# Altium PCB LimeSDR_1v2s.PcbDoc (part 6 of 9) (continued)
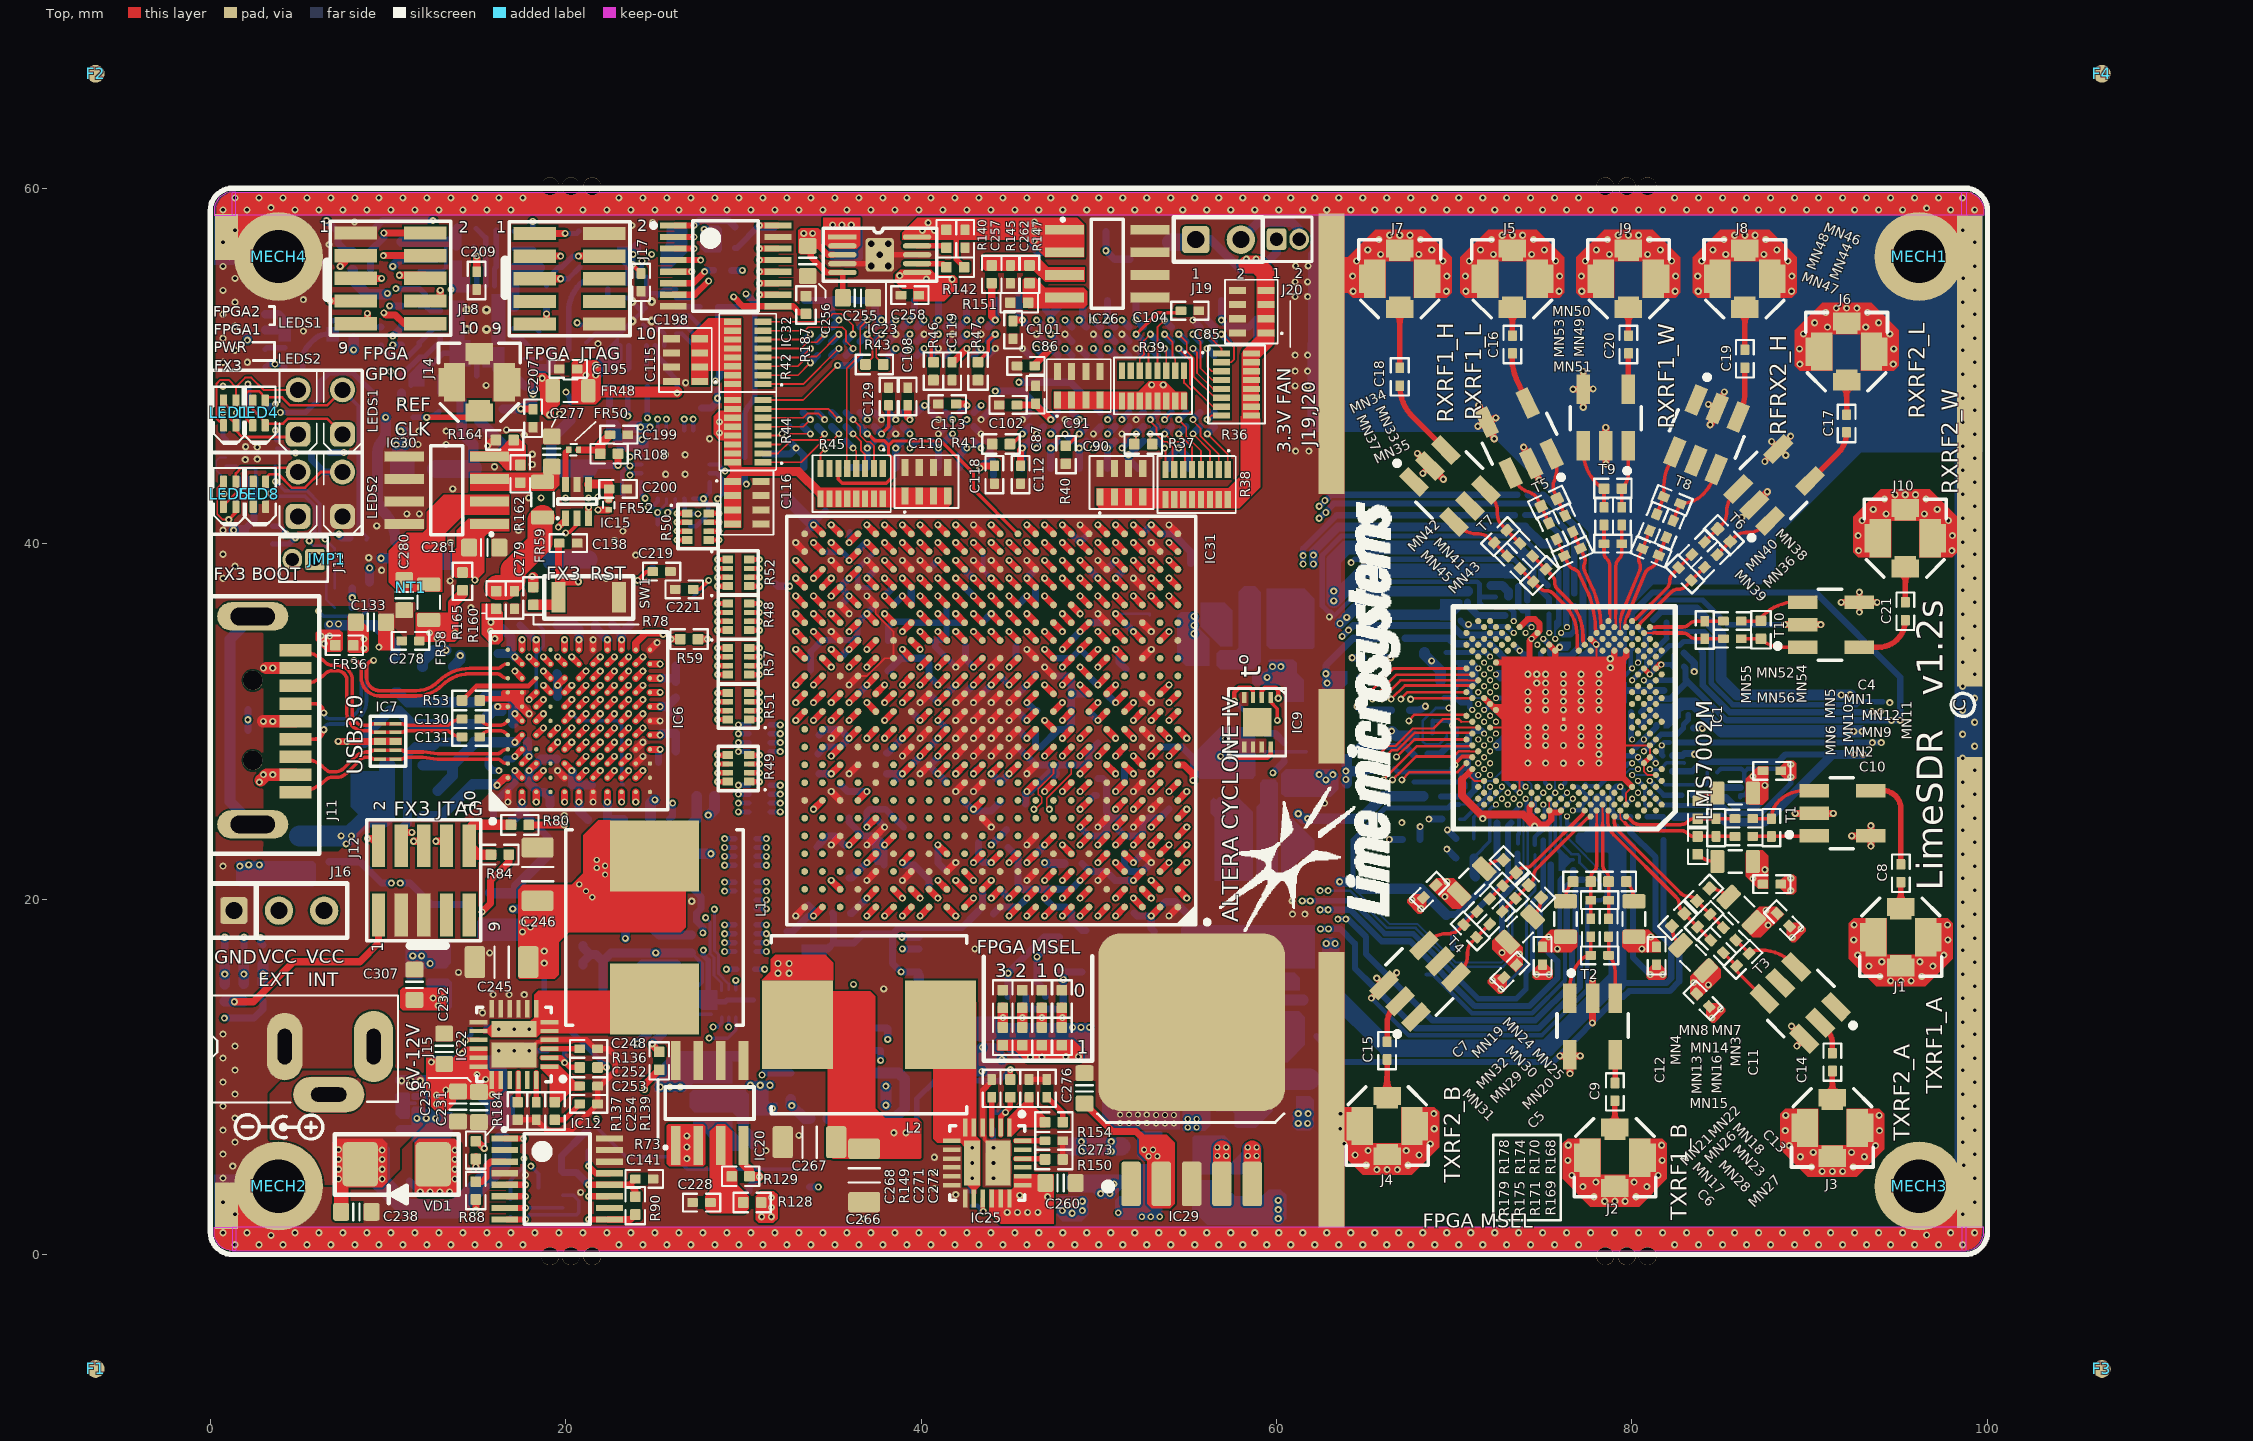
[diagram p0: Top view]
## Nets (pads, with @x,y where several pads share a name; then routed paths per layer and width w, separated by ;. In a path a pad name is that pad's centre, name@x,y a point inside that pad or via, vN(x,y) a via of type N, cw(c..) or ccw(c..) an arc to the next point about the centre after c; other vN are vias at no path point) (continued)
NetC20_1: C20.1 J9.1 | length 1.7
  Top w0.309: C20.1@79.8,51.7 J9.1@79.8,53.4
NetC20_2: C20.2 T9.6 | length 2.4
  Top w0.309: T9.6@79.796,49.059 T9.6@79.796,48.682 79.796,50.696 C20.2@79.8,50.7
NetC21_1: C21.1 J10.1 | length 1.9
  Top w0.309: J10.1@95.375,38.6 95.38,38.6 C21.1@95.38,36.693
NetC21_2: C21.2 T10.6 | length 3.5
  Top w0.309: T10.6@92.784,34.168 93.855,34.168 ccw(c93.855,35.693) C21.2@95.38,35.693
NetC22_1: C22.1 C23.1 IC1.AH30 R23.2 | length 2.6
  Bottom w0.3: R23.2@69.551,33.869 71.785,33.869 v4(72.014,33.639)
NetC24_1: C24.1 C25.1 IC1.T32 R19.2 | length 4.7
  Top w0.11: v1(69.901,29.769) 70.023,29.646 IC1.T32@71.345,29.646
  Bottom w0.11: R19.2@68.751,29.319 C24.1@68.751,29.924
  Bottom w0.25: R19.2@68.751,29.319 68.781,29.349 C24.1@68.781,29.954 ; C24.1@68.781,30.044 C24.1@68.781,29.954 ; C25.1@70.131,29.219 70.131,29.539 69.651,30.019 68.846,30.019 C24.1@68.781,29.954
NetC26_1: C26.1 C27.1 IC1.AE29 R20.1 | length 8.7
  Bottom w0.3: v4(72.347,32.64) 72.589,32.399 C27.1@73.626,32.399
  Bottom w0.4: R20.1@67.225,34.675 69.695,34.675 70.006,34.364 72.006,34.364 73.201,33.169 73.201,32.469
NetC28_1: C28.1 C29.1 IC1.R31 R16.1 | length 4.1
  Bottom w0.35: 71.548,29.444 v4(71.681,29.31)
  Bottom w0.37: R16.1@68.501,28.169 69.201,28.169 69.624,28.591 C29.1@70.801,28.591 70.801,29.144 71.116,29.459 71.533,29.459 71.548,29.444
NetC30_1: C30.1 C31.1 IC1.W31 R24.2 | length 2.6
  Bottom w0.2: R24.2@72.951,30.019 73.026,30.094 C30.1@73.646,30.094
  Bottom w0.25: C31.1@72.049,30.946 72.049,30.84 72.525,30.364 72.631,30.364 72.951,30.044 R24.2@72.951,30.019
  Bottom w0.3: v4(71.681,30.642) 71.746,30.642 C31.1@72.049,30.946
NetC32_1: C32.1 C33.1 IC1.H32 R21.2 | length 3.3
  Bottom w0.35: R21.2@69.251,25.769 70.785,25.769 71.156,26.14 71.156,26.787 71.307,26.939 C32.1@70.9,26.939
  other v4: 71.348,26.979
NetC34_1: C34.1 C35.1 IC1.W33 R17.2 | length 2
  Bottom w0.3: R17.2@69.426,31.319 C34.1@70.096,31.319 70.101,31.314 70.376,31.039 C35.1@70.876,31.039 70.876,30.781 v4(71.015,30.642)
NetC36_1: C36.1 C37.1 IC1.AA29 R22.1 | length 12.7
  L8 w0.35: v1(65.25,32.475) 66.575,32.475 68.189,34.089 72.2,34.089 72.464,33.826 72.464,33.16 72.797,32.827 72.797,31.788 72.347,31.338 v4(72.347,31.308)
  Bottom w0.3: v4(72.347,31.308) 73.616,31.308 C37.1@73.626,31.299
  Bottom w0.35: R22.1@64.675,32.475 v1(65.25,32.475)
NetC38_1: C38.1 C39.1 IC1.L33 R18.1 | length 5
  Top w0.2: v1(70.05,27.55) 70.05,27.625 70.445,28.02 71.015,28.02 IC1.L33@71.015,27.978
  Bottom w0.3: R18.1@66.65,27.325 66.826,27.149 66.862,27.149 66.864,27.15 68.375,27.15 68.376,27.149 69.101,27.149 C39.1@69.876,27.149 69.876,27.376 v1(70.05,27.55)
NetC40_1: C40.1 FR2.2 IC1.C25 | length 1.4
  Bottom w0.25: FR2.2@72.501,24.849 73.301,24.849 73.679,25.227 v4(73.679,25.314)
NetC41_1: C41.1 IC1.D24 R25.1 | length 2.7
  Bottom w0.22: R25.1@73.581,23.129 C41.1@73.581,23.644 ; C41.1@73.631,23.644 73.631,24.624 74.064,25.057 74.064,25.595 v4(74.012,25.647)
NetC42_1: C42.1 FR1.1 IC1.F8 R26.1 | length 3.5
  Bottom w0.25: v4(79.34,26.313) 79.526,26.127 R26.1@79.526,25.824
  Bottom w0.35: v4(79.34,26.313) 79.121,26.313 78.876,26.069 78.876,24.874 C42.1@79.125,24.624 FR1.1@79.901,24.624
NetC43_1: C43.1 FR4.2 IC1.F24 | length 1.6
  Bottom w0.3: FR4.2@73.406,27.544 C43.1@73.406,26.769 73.492,26.769 73.947,26.313 v4(74.012,26.313)
NetC44_1: C44.1 FR7.1 IC1.E21 | length 53.4
  L4 w0.7: v1@62.394,20.325 63.425,20.325 64.55,19.2 64.522,19.172 64.55,19.144 64.55,18.606 64.169,18.225 62.575,18.225 v1(62.475,18.325)
  Bottom w0.15: v1@62.35,20.475 v1(62.45,20.475) v1(62.9,20.475) 64.128,20.475 66.226,18.377 67.822,18.377 70.002,16.198 72.745,16.198 73.27,16.722 73.27,19.902 74.126,20.758 74.126,24.419 74.572,24.865 74.572,25.541 v4(75.011,25.98)
  Bottom w0.35: v1(62.475,18.325) v1(62.925,18.325) 63.575,18.325 64.413,17.487 64.413,16.111 65.443,15.081 65.494,15.081 65.975,14.6 65.975,14.574 67.824,12.725 74.745,12.725 77.081,15.061 77.081,17.727 76.839,17.969 FR7.1@76.839,20.525 76.86,20.504 C44.1@77.544,20.504
NetC45_1: C45.1 FR6.1 IC1.D16 | length 7
  Bottom w0.15: 75.993,24.968 75.993,23.132 76.6,22.525 76.948,22.525 77.05,22.422 77.05,22.052 78,21.101 FR6.1@78,21.089 78.262,20.827 C45.1@78.262,20.525
  Bottom w0.17: 75.989,24.493 75.983,24.499 75.983,24.958 75.993,24.968 v4(76.675,25.65)
NetC46_1: C46.1 FR3.1 IC1.E17 | length 4.7
  Bottom w0.2: C46.1@76.05,21.755 76.495,22.2 FR3.1@76.7,22.2 ; 76.1,22.525 75.693,22.932 75.693,25.33 v4(76.343,25.98)
NetC47_1: C47.1 FR5.2 IC1.AL21 | length 13.4
  Bottom w0.35: v4(75.011,34.638) 75.401,34.248 75.401,33.794
  Bottom w0.4: FR5.2@74.15,42.725 75.021,42.725 75.258,42.487 75.287,42.487 77.251,40.524 77.251,34.368 76.552,33.669 75.606,33.669 75.431,33.844
NetC48_1: C48.1 FR12.1 IC1.G3 | length 2.1
  Bottom w0.3: v4(81.005,26.646) 81.005,26.631 81.787,25.849 FR12.1@82.801,25.849
NetC49_1: C49.1 FR9.2 IC1.M4 | length 3.6
  Bottom w0.3: v4(80.672,28.311) 81.629,29.269 82.546,29.269 C49.1@82.896,29.619 82.896,29.821 83.156,30.081 FR9.2@83.156,30.369
NetC50_1: C50.1 FR10.2 IC1.H6 | length 5.2
  Bottom w0.11: v4(80.006,26.979) 81.296,26.979
  Bottom w0.2: 81.296,26.979 81.85,26.425 FR10.2@84.25,26.425 84.246,26.429 C50.1@84.246,27.144
NetC51_1: C51.1 FR8.1 IC1.B16 | length 2.4
  Bottom w0.25: v4(76.676,24.981) 76.688,24.994 FR8.1@77.196,24.994 77.196,25.289 77.531,25.624 77.531,25.744 76.956,26.319 C51.1@76.794,26.319
NetC52_1: C52.1 FR10.1 R27.1 | length 1.4
  Bottom w0.4: FR10.1@84.81,26.425 84.963,26.272 85.279,26.272 86.087,26.272 C52.1@86.094,26.279
NetC53_1: C53.1 FR11.1 IC1.A17 | length 1.3
  Bottom w0.25: v4(76.343,24.648) 76.343,24.182 C53.1@76.351,24.174 FR11.1@77.126,24.174
NetC54_1: C54.1 FR13.1 IC1.E19 | length 4.4
  Bottom w0.11: v4(75.677,25.98) C54.1@75.677,26.794
  Bottom w0.15: v4(75.677,25.98) v4@75.731,25.926
  Bottom w0.2: FR13.1@75.393,22.607 75.393,25.696 v4(75.677,25.98)
NetC55_1: C55.1 IC1.J3 R30.1 | length 2.2
  Bottom w0.19: v4(81.005,27.312) 81.042,27.275 81.703,27.275 R30.1@81.721,27.294
  Bottom w0.2: R30.1@81.721,27.294 81.721,27.446 81.944,27.669 82.931,27.669 C55.1@82.95,27.65
NetC56_1: C56.1 FR17.1 IC1.C21 | length 2.5
  Bottom w0.24: FR17.1@74.976,23.874 75.073,23.971 75.073,25.252 v4(75.011,25.314)
  Bottom w0.25: C56.1@74.531,23.056 74.531,23.487 74.918,23.874 FR17.1@74.976,23.874
NetC57_1: C57.1 IC1.F20 R29.2 | length 1.4
  Bottom w0.25: R29.2@74.651,27.469 75.106,27.014 75.106,26.551 v4(75.344,26.313)
NetC58_2: C58.2 FR14.2 IC1.K6 R28.2 | length 3.3
  Bottom w0.27: C58.2@77.376,26.464 77.498,26.342 FR14.2@78.126,26.342 78.796,27.012 78.796,27.019 78.796,27.116 79.164,27.484 79.634,27.484 79.795,27.645 v4(80.006,27.645)
NetC59_1: C59.1 FR16.2 FR18.2 IC1.L5 R31.2 | length 4.2
  L4 w0.35: v4(80.006,28.977) 80.006,28.311 v4(80.339,27.978)
  Bottom w0.3: C59.1@79.381,27.894 79.558,28.07 80.247,28.07 v4(80.339,27.978) 80.339,27.931 R31.2@80.624,27.646
  Bottom w0.35: FR16.2@79.95,30.525 79.95,29.033 v4(80.006,28.977)
NetC60_1: C60.1 FR15.1 IC1.AN23 | length 2.7
  Bottom w0.3: C60.1@74.126,36.239 74.126,35.523 v4(74.345,35.304)
  Bottom w0.35: FR15.1@73.601,37.594 73.601,36.49 73.852,36.239 C60.1@74.101,36.239
NetC61_1: C61.1 FR20.2 IC1.G5 | length 1.7
  Bottom w0.2: C61.1@80.753,26.232 80.719,26.232 80.719,25.316 FR20.2@80.849,25.186
  Bottom w0.3: v4(80.339,26.646) C61.1@80.753,26.232
NetC62_1: C62.1 FR21.2 IC1.N1 | length 1.1
  Bottom w0.3: C62.1@81.721,28.069 81.671,28.119 v4(81.671,28.644) 81.833,28.806 FR21.2@82.094,28.806
NetC63_1: C63.1 FR19.1 IC1.AM18 | length 2.3
  Bottom w0.31: v4(76.01,34.971) 76.113,34.869 76.526,34.869 76.776,35.119 FR19.1@76.776,36.514
NetC64_1: C64.1 IC1.AL19 R32.2 | length 3.5
  Bottom w0.11: v4(75.677,34.638) 75.676,35.244
  Bottom w0.3: 75.821,35.589 75.881,35.649 C64.1@75.881,38.419
NetC65_1: C65.1 FR20.1 R33.1 | length 1.6
  Bottom w0.3: FR20.1@80.849,24.626 81.772,24.626 R33.1@81.775,24.629 ; C65.1@81.771,23.869 R33.1@81.771,24.559
NetC66_1: C66.1 FR22.1 IC1.AM20 | length 1
  Bottom w0.3: v4@75.331,34.984 FR22.1@75.331,36.019
  other v4: 75.344,34.971
NetC67_1: C67.1 FR27.2 IC1.AD6 | length 3.8
  Bottom w0.3: v4(80.006,32.307) 80.826,33.127 80.826,33.535 81.201,33.91 81.201,33.918 81.946,34.663
  Bottom w0.35: C67.1@81.946,34.869 FR27.2@81.946,35.55
NetC68_1: C68.1 FR23.2 IC1.AE3 IC1.AF4 | length 4.5
  Top w0.3: IC1.AF4@80.672,32.973 v4(81.005,32.64)
  Bottom w0.3: v4(81.005,32.64) 81.226,32.861 81.226,33.37 81.575,33.719 ; 81.601,33.752 82.117,34.269 82.676,34.269 82.896,34.489 83.176,34.489 FR23.2@84.055,34.489
NetC69_1: C69.1 FR24.1 FR25.1 IC1.AN17 | length 7.9
  Bottom w0.34: FR25.1@73.98,41.6 74.845,41.6 76.293,40.152 FR24.1@76.293,39.982 ; FR24.1@76.301,40.069 76.301,35.346 v4(76.343,35.304)
NetC70_1: C70.1 FR26.1 IC1.AJ25 | length 1
  Bottom w0.35: FR26.1@73.399,34.246 73.672,33.972 v4(73.679,33.972) 73.908,33.744 C70.1@74.183,33.744
NetC71_1: C71.1 FR28.2 IC1.AG5 | length 2.7
  Bottom w0.35: v4@80.351,33.294 80.401,33.344 80.401,33.719 80.451,33.769 80.459,33.769 80.776,34.086 80.776,34.094 80.776,34.739 ; C71.1@80.486,35.154 80.776,34.864 80.776,34.739 ; FR28.2@81.191,35.154 80.776,34.739
  other v4: 80.339,33.306
NetC72_1: C72.1 FR30.2 IC1.P4 | length 1.7
  Bottom w0.35: C72.1@80.206,28.526 80.221,28.526 v4(80.672,28.977) 81.369,29.674 FR30.2@81.369,29.781
NetC73_1: C73.1 FR29.1 IC1.AP26 | length 1.7
  Bottom w0.3: C73.1@72.276,36.439 FR29.1@73.051,36.439 73.346,36.144 v4(73.346,35.637)
NetC74_1: C74.1 FR29.2 R34.2 | length 1.4
  Bottom w0.5: C74.1@72.076,37.644 R34.2@72.701,37.644 73.051,37.294 FR29.2@73.051,37.044
NetC75_1: C75.1 FR31.1 IC1.AM26 | length 1.4
  Bottom w0.3: C75.1@72.051,35.339 FR31.1@72.826,35.339 72.979,35.339 v4(73.346,34.971)
NetC76_1: C76.1 FR31.2 R35.2 | length 2.5
  Bottom w0.4: R35.2@70.751,36.714 70.751,36.519 71.321,35.949 FR31.2@72.851,35.949
NetC77_1: C77.1 FR32.1 IC1.AK22 | length 13.9
  L4 w0.35: v1(65.8,36) 71.425,36 73.003,34.422 73.865,34.422 74.099,34.188 74.561,34.188 v4(74.678,34.305)
  Bottom w0.6: v1(65.8,36) 69.25,36 69.775,36.525
NetC78_1: C78.1 FR33.1 IC1.AF6 | length 1.9
  Bottom w0.25: C78.1@79.531,32.544 79.576,32.544 v4(80.006,32.973) 79.939,33.04 79.939,33.982 FR33.1@80.051,34.094 ; FR33.1@80.001,34.064 FR33.1@80.006,34.059
NetC79_1: C79.1 FR34.1 IC1.AD4 | length 1.8
  Bottom w0.3: v4(80.672,32.307) 80.737,32.307 80.829,32.215 81.181,32.215 81.273,32.307 82.342,32.307 FR34.1@82.351,32.299
NetC80_1: C80.1 FR35.1 IC1.AF2 | length 1.8
  Top w0.35: IC1.AF2@81.338,32.973 81.558,33.194 v4(81.651,33.194)
  Bottom w0.3: v4(81.651,33.194) 82.18,33.194 82.305,33.069 82.371,33.069 C80.1@82.371,33.719
NetC134_1: C134.1 FR37.2 J11.10 | length 12.8
  Bottom w0.6: J11.10@2.4,24.2 1.123,25.478 1.123,29.374 1.123,34.623 J11.10@2.4,35.9
NetC158_2: C158.2 C159.1 FR42.1 IC6.A2 | length 5.7
  Top w0.4: v2(16.15,26.4) 16.575,26.825 IC6.A2@16.75,26.825
  Bottom w0.6: FR42.1@11.95,24.65 12.975,24.65 C158.2@14.2,25.875 14.775,26.45 C159.1@15.325,26.45 v2@16.1,26.45
NetC160_1: C160.1 C161.2 FR43.1 IC6.B5 | length 7.9
  Top w0.4: v2(17.15,28.825) IC6.B5@17.55,29.225
  Bottom w0.6: FR43.1@11.975,27.525 13.636,27.525 ; C161.2@12.8,26.1 13.636,26.936 13.636,27.525 ; C160.1@14.875,28.85 14.875,28.764 13.636,27.525 ; C160.1@15.075,28.825 v2(17.15,28.825)
NetC162_1: C162.1 C163.2 FR44.1 IC6.A7 | length 9
  Top w0.4: v2(16.184,30.825) IC6.A7@16.75,30.825
  Bottom w0.6: FR44.1@8.675,28.8 8.675,29.175 C163.2@10.1,30.6 10.6,30.6 11.365,29.835 C162.1@12.81,29.835 15.146,29.835 15.611,30.3
NetC181_1: C181.1 C182.2 R98.2 | length 2.2
  Bottom w0.309: R98.2@28.55,52.263 C182.2@28.55,53.313 C181.1@29.65,53.313
NetC181_2: C181.2 R96.1 R103.1 R104.1 R105.2 R106.1 R107.1 | length 49.2
  L4 w0.1: v1(3.65,50.1) 6.973,50.1 cw(c6.973,47.56) 8.769,49.356 cw(c7.849,48.436) 9.15,48.436 ccw(c10.625,48.436) 9.582,47.393 v1(9.875,47.1)
  L8 w0.1: v1(9.875,47.1) ccw(c10.72,47.945) 10.72,46.75 19.908,46.75 ccw(c19.908,48.542) 21.175,47.275 cw(c22.141,46.309) 22.141,47.675 23,47.675 ccw(c23,49.546) 24.323,48.223 v1(30.15,54.05)
  Bottom w0.309: R103.1@3.1,49.925 3.275,50.1 v1(3.65,50.1) 4.025,50.1 R104.1@4.2,49.925 ; R107.1@30.075,44.85 30.075,47.136 cw(c31.014,47.136) 30.35,47.8 ccw(c29.626,48.524) 30.65,48.524 C181.2@30.65,53.313
  Bottom w0.4: v1(30.15,54.05) 30.15,54.043 30.65,53.543 C181.2@30.65,53.313
  Bottom w0.6: v1(9.875,47.1) 9.875,46.222 cw(c9.278,46.222) 9.7,45.8 ccw(c10.386,45.114) 9.416,45.114 9.416,42.612 ccw(c10.568,42.612) 9.753,41.797 cw(c8.131,40.175) R96.1@10.425,40.175
NetC182_1: C182.1 IC13.21 | length 1.3
  Bottom w0.309: IC13.21@26.225,53.313 C182.1@27.55,53.313
NetC183_2: C183.2 IC13.20 | length 1.5
  Bottom w0.25: IC13.20@26.225,53.813 26.95,53.813 C183.2@27.5,54.363
NetC186_2: C186.2 C187.2 FR47.1 R95.2 XT2.5 XT3.4 XT4.4 | length 6.1
  Bottom w0.6: C186.2@14.15,47.95 R95.2@14.15,46.9 14.15,46.225 14.8,45.575 XT2.5@14.8,44.225
  Bottom w1: XT3.4@12.7,44.2 14.775,44.2 XT2.5@14.8,44.225
NetC188_2: C188.2 IC14.6 IC14.7 IC14.8 R100.2 | length 2.9
  Bottom w0.5: R100.2@3.1,52.025 IC14.7@4.2,52.025 IC14.8@4.2,52.525 3.825,52.9 C188.2@3.1,52.9
NetC199_2: C199.2 FR50.2 R108.2 | length 2.6
  Top w0.4: FR50.2@20.73,45.275 21.75,45.275 21.95,45.475 22,45.525
  Top w0.5: 22,45.525 22,45.625 C199.2@22.5,46.125
  Top w0.6: R108.2@21.95,45.05 21.95,45.475
NetC200_1: C200.1 FR52.2 IC15.4 | length 2
  Top w0.5: IC15.4@21.3,43.325 21.325,43.35 22.425,43.35 FR52.2@22.425,42.5
NetC201_1: C201.1 IC16.5 | length 1.4
  Bottom w0.3: IC16.5@17.05,51.6 17.425,51.6 C201.1@18.125,50.9
NetC201_2: C201.2 C202.1 R109.2 | length 2.1
  Bottom w0.5: C201.2@18.125,49.9 18.175,49.85 R109.2@19.175,49.85 19.175,49.9 C202.1@19.175,50.9
NetC204_2: C204.2 C205.1 C206.1 FR51.2 IC16.6 IC16.7 | length 20
  L4 w0.4: v1(10.275,55.6) 14.475,55.6 17.55,52.525 17.55,49.025 v1(18.175,48.4)
  Bottom w0.3: IC16.7@15.5,50.7 IC16.6@16,50.7 16,49.825 16.25,49.575 FR51.2@16.475,49.575
  Bottom w0.4: C206.1@10.8,55.975 C205.1@12.8,55.975
  Bottom w0.5: v1(10.275,55.6) 10.65,55.975 10.75,55.975 C206.1@10.8,55.975 ; FR51.2@16.475,49.575 16.975,49.575 17.7,48.85 C204.2@18.175,48.85 v1@18.175,48.45
NetC209_2: C209.2 C210.1 IC16.18 R110.1 | length 3.1
  Top w0.4: C209.2@15,55.3 v1(15,56.175)
  Bottom w0.3: C210.1@14.825,56.675 15,56.5 IC16.18@15,54.5
NetC211_1: C211.1 C212.2 R114.2 | length 2
  Bottom w0.3: C212.2@12.925,48.475 R114.2@12.925,49.425 C211.1@13.975,49.425
NetC211_2: C211.2 IC16.8 | length 1.2
  Bottom w0.3: C211.2@15,49.45 IC16.8@15,50.7
NetC213_2: C213.2 R112.2 R113.1 | length 12.5
  L4 w0.1: v1@18.15,58.15 18.15,53.227 ccw(c20.69,53.227) 18.894,51.431 19.281,51.044 cw(c17.485,49.248) 20.025,49.248 v1(20.025,48.525)
  Bottom w0.309: R112.2@17.125,57.575 C213.2@18.175,57.575 ; v1@18.15,58.15 18.15,57.696 ccw(c18.321,57.696) C213.2@18.2,57.575 ; v1(20.025,48.525) cw(c19.456,47.956) 20.26,47.956 R113.1@20.26,47.943
  other v1: 18.15,58.125
NetC214_1: C214.1 R118.2 | length 1.1
  Bottom w0.3: C214.1@17.1,56.575 18.15,56.575 R118.2@18.2,56.525
NetC214_2: C214.2 C215.2 IC16.20 R112.1 | length 3.2
  Bottom w0.3: IC16.20@16,54.5 16,55.475 C215.2@16.1,55.575 C214.2@16.1,56.575 R112.1@16.1,57.625
NetC216_1: C216.1 IC16.4 | length 1.5
  Bottom w0.3: IC16.4@17.05,52.1 18.35,52.1 C216.1@18.5,51.95
NetC220_2: C220.2 IC16.12 R119.2 | length 4.5
  Bottom w0.3: C220.2@9.625,51.175 9.625,51 10.15,50.475 11.075,50.475 R119.2@11.775,51.175 11.775,51.3 12.575,52.1 IC16.12@12.95,52.1
NetC228_2: C228.2 IC20.3 R128.2 R129.1 | length 0.9
  Top w0.5: IC20.3@28.735,5.185 IC20.3@28.735,6.125
NetC237_1: C237.1 J15.1 J16.2 VD1.A | length 5
  Bottom w0.4: C237.1@11.225,4.125 v1(11.825,3.525) v1(13.475,3.525) 13.775,3.825 v1(13.775,5.875)
  other v1: 12.375,3.525 12.925,3.525 13.775,4.25 13.775,4.8 13.775,5.35
NetC240_1: C240.1 IC22.15 | length 1.4
  Top w0.25: v1@14.425,12.075 IC22.15@15.1,12.075
  Bottom w0.25: v1(14.375,12.05) 14.7,12.375 C240.1@14.7,12.675
NetC240_2: C240.2 IC22.5 IC22.6 IC22.7 IC22.14 IC22.26 L1.1
  other v6: 16.25,12.675 17.1,12.675 17.95,12.675
NetC243_2: C243.2 FR54.2 IC21.1 IC21.2
NetC244_2: C244.2 IC21.3 R132.2 R134.1 | length 4.7
  Bottom w1.2: IC21.3@57.1,9.865 R132.2@61.84,9.865
NetC248_1: C248.1 IC22.3 | length 2.1
  Top w0.309: IC22.3@18.7,11.575 C248.1@20.8,11.575
NetC250_2: C250.2 FR55.2 IC24.1 IC24.2
NetC251_2: C251.2 IC24.3 R141.2 R143.1
NetC252_1: C252.1 IC22.1 R139.2
NetC253_1: C253.1 R139.1 | length 1.8
  Top w0.309: R139.1@19.4,7.575 19.9,7.575 C253.1@20.8,8.475
NetC254_1: C254.1 IC22.24 | length 1.7
  Top w0.309: C254.1@18.35,8.575 IC22.24@18.35,10.225
NetC259_1: C259.1 IC25.15 | length 1.5
  Top w0.25: IC25.15@43.475,3.15 43.475,2.45 v1(43.5,2.425)
  Bottom w0.25: C259.1@42.875,2.75 43.175,2.75 v1(43.5,2.425)
NetC259_2: C259.2 IC25.5 IC25.6 IC25.7 IC25.14 IC25.26 L2.1
  other v6: 42.875,4.3 42.875,5.15 42.875,6
NetC262_2: C262.2 IC26.3 R145.2 R147.1
NetC264_2: C264.2 FR56.2 IC27.1 IC27.2
NetC265_2: C265.2 IC27.3 R146.2 R148.1
NetC268_1: C268.1 IC25.3 | length 2.1
  Top w0.309: IC25.3@43.975,6.75 C268.1@43.975,8.85
NetC270_2: C270.2 IC28.3 R155.2 R156.1 | length 1.7
  Bottom w0.6: 30,7.625 30,7.05 30.55,6.5 R156.1@30.55,6.2
NetC271_1: C271.1 IC25.1 R154.2
NetC272_1: C272.1 R154.1 | length 1.8
  Top w0.309: C272.1@47.075,8.85 47.975,7.95 R154.1@47.975,7.45
NetC273_1: C273.1 IC25.24 | length 1.7
  Top w0.309: IC25.24@45.325,6.4 C273.1@46.975,6.4
NetC275_2: C275.2 IC29.4 R157.2 R158.1 | length 1.9
  Top w1: IC29.4@56.93,3.975 56.93,5.905
  other v5: 56.675,5.55 57.175,5.55 56.675,6.025 57.175,6.025
NetC276_2: C276.2 FR57.2 IC29.2 | length 4
  Top w0.4: C276.2@49.2,8.5 50.775,6.925 52.101,6.925 52.402,6.624
  other v5: 52.8,5.525 53.3,5.525 52.55,5.9 53.05,5.9
NetC277_2: C277.2 FR59.1 IC30.3 R162.1
NetC279_2: C279.2 FR59.2 R160.2 | length 5.3
  Top w1.4: R160.2@16.175,37.525 16.625,37.525 17.05,37.95 17.05,38.525 18.55,40.025 18.55,41.325 FR59.2@18.7,41.475
NetC280_2: C280.2 FR58.2 IC30.2
NetC281_2: C281.2 IC30.1 R163.2 R165.1 | length 47.5
  Top w0.4: 14.875,38.825 14.9,38.8 v1(14.9,37.95)
  L4 w0.2: v1(14.9,37.95) 15.075,37.775 15.075,25.96 17.725,23.31 17.725,21.375 21.575,17.525 21.575,7.8 v1(21.75,7.625)
  Bottom w0.2: v1(21.75,7.625) 21.8,7.575 21.8,7.1 23.4,5.5 26.159,5.5 26.859,4.8 R163.2@33.725,4.8
NetFR50_1: FR50.1 IC15.6 | length 2
  Top w0.35: IC15.6@20,43.325 20,44.725 20,45.105 FR50.1@20.17,45.275
NetIC1_AM24: IC1.AM24 R1.1 | length 8.6
  L10 w0.1: v1(66.425,33.575) cw(c67.365,32.635) 67.365,33.964 72.075,33.964 ccw(c72.075,36.209) 73.663,34.622 v4(74.012,34.971)
  Bottom w0.4: R1.1@65.85,33.575 v1(66.425,33.575)
NetIC1_D6: IC1.D6 R26.2 | length 0.6
  Bottom w0.25: R26.2@79.526,25.264 79.622,25.264 v4(80.006,25.647)
NetIC1_D28: IC1.D28 R10.1 | length 6
  L10 w0.1: v1(68.075,24.075) 68.718,24.075 70.291,25.647 v4(72.68,25.647)
  Bottom w0.4: R10.1@68.075,23.35 v1(68.075,24.075)
NetIC1_E5: IC1.E5 R4.1 | length 16.2
  L10 w0.1: v1(68.375,30.85) cw(c69.462,29.763) 69.462,31.3 71.375,31.3 cw(c71.375,30.577) 71.887,31.088 72.056,30.919 ccw(c73.852,32.715) 73.852,30.175 77.95,30.175 cw(c77.95,29.425) 78.7,29.425 78.7,28.55 ccw(c80.947,28.55) 79.358,26.961 v4(80.339,25.98)
  Bottom w0.4: R4.1@67.475,30.625 67.832,30.625 ccw(c67.832,31.393) v1(68.375,30.85)
NetIC1_F18: IC1.F18 R9.1 | length 2.2
  Bottom w0.25: v4(76.01,26.313) 76.248,26.552 76.248,27.048 76.631,27.431 76.631,28.164 R9.1@76.58,28.215
NetIC1_F28: IC1.F28 R13.1 | length 3.6
  Bottom w0.2: R13.1@71.1,23.4 71.1,24.598 72.68,26.178 v4(72.68,26.313)
NetIC1_F30: IC1.F30 R12.1 | length 2.7
  Bottom w0.2: R12.1@70.3,24.5 70.578,24.5 72.014,25.936 v4(72.014,26.313)
NetIC1_J5: IC1.J5 R28.1 | length 1.1
  Bottom w0.11: R28.1@79.356,27.019 79.579,27.019 79.872,27.312 v4(80.339,27.312)
NetIC1_K2: IC1.K2 R31.1 | length 0.5
  Bottom w0.3: R31.1@81.049,28.017 R31.1@81.074,28.017 ; R31.1@81.049,28.042 R31.1@81.074,28.017 ; v4(81.338,27.645) 81.338,27.753 R31.1@81.074,28.017
NetIC6_B3: IC6.B3 R56.2 | length 1.4
  Top w0.4: IC6.B3@17.55,27.625 v2(17.95,28.025)
  Bottom w0.5: R56.2@17.85,28.875 17.85,28.125 v2@17.937,28.038
NetIC6_C8: IC6.C8 R54.2 | length 5.2
  Top w0.4: v2(17.95,31.225) IC6.C8@18.35,31.625
  Bottom w0.2: v2(17.95,31.225) 18.35,31.625 18.35,33.305 18.35,33.791 18.75,34.191 18.75,35.15 R54.2@18.475,35.425
NetIC6_E1: IC6.E1 R58.4 | length 14.8
  Top w0.4: v2(19.95,25.459) IC6.E1@19.95,26.025
  L4 w0.1: v2(19.95,25.459) 20.3,25.809 23.295,25.809 23.5,25.604 23.5,25.325 23.8,25.025 27.47,25.025 30.075,27.63 30.075,28.95 v1(29.725,29.3)
  Bottom w0.3: v1(29.725,29.3) R58.4@30.3,29.3
NetIC6_E4: IC6.E4 R58.8 | length 15.6
  Top w0.4: IC6.E4@19.95,28.425 v2(20.35,28.825)
  L3 w0.1: v2(20.35,28.825) 20.8,29.275 20.8,30.57 21.005,30.775 21.195,30.775 21.6,31.18 21.6,32.17 21.805,32.375 22.895,32.375 23.15,32.12 23.15,31.075 23.375,30.85 24.45,30.85 24.925,30.375 25.85,30.375 26.95,29.275 28.75,29.275 v1(29.725,28.3)
  Bottom w0.3: v1(29.725,28.3) R58.8@30.3,28.3
NetIC6_E5: IC6.E5 R58.6 | length 14.6
  Top w0.4: IC6.E5@19.95,29.225 v2(20.35,29.625)
  L4 w0.1: v2(20.35,29.625) 20.35,29.375 20.525,29.2 21.275,29.2 21.55,29.475 21.55,29.9 21.725,30.075 22.925,30.075 23.2,29.8 23.2,29.425 23.425,29.2 24.55,29.2 24.925,29.575 25.5,29.575 25.625,29.575 ccw(c25.625,29.85) 25.9,29.85 cw(c26.3,29.85) 26.3,30.25 cw(c26.3,29.85) 26.7,29.85 26.7,29.575 26.7,29.107 ccw(c27.1,29.107) 27.1,28.707 ccw(c27.1,29.107) 27.5,29.107 27.5,29.175 cw(c27.9,29.175) 27.9,29.575 28.2,29.575 28.475,29.3 29.225,29.3 v1(29.725,28.8)
  Bottom w0.3: v1(29.725,28.8) R58.6@30.3,28.8
NetIC6_F3: IC6.F3 R55.8 | length 14.6
  Top w0.4: IC6.F3@20.75,27.625 v2(21.15,28.025)
  L8 w0.1: v2(21.15,28.025) 20.8,27.675 20.8,26.85 20.375,26.425 20.375,25.2 21.267,24.308 22.976,24.308 23.359,23.925 28.75,23.925 v1(29.725,24.9)
  Bottom w0.3: v1(29.725,24.9) R55.8@30.3,24.9
NetIC6_F4: IC6.F4 R55.2 | length 14.5
  Top w0.4: IC6.F4@20.75,28.425 v2(21.15,28.825)
  L8 w0.1: v2(21.15,28.825) 21.6,28.375 22.125,28.375 22.2,28.3 22.2,28.292 22.3,28.192 22.3,26.375 22.8,25.875 22.8,25.314 23.005,25.109 25.225,25.109 ccw(c25.225,25.509) 25.625,25.509 25.625,25.709 cw(c26.025,25.709) 26.025,26.109 cw(c26.025,25.709) 26.425,25.709 26.425,25.509 ccw(c26.825,25.509) 26.825,25.109 27.225,25.109 27.475,25.109 28.434,25.109 v1(29.725,26.4)
  Bottom w0.3: v1(29.725,26.4) R55.2@30.3,26.4
NetIC6_F5: IC6.F5 R58.2 | length 14.5
  Top w0.4: IC6.F5@20.75,29.225 v2(21.15,29.625)
  L4 w0.1: v2(21.15,29.625) 20.8,29.975 19.975,29.975 19.775,30.175 19.775,30.675 19.975,30.875 22.975,30.875 23.175,30.675 23.175,30.25 23.35,30.075 24.7,30.075 25.075,30.45 27.975,30.45 28.15,30.275 28.15,30.005 28.405,29.75 29.675,29.75 v1(29.725,29.8)
  Bottom w0.3: v1(29.725,29.8) R58.2@30.3,29.8
NetIC6_F7: IC6.F7 R48.5 | length 15
  Top w0.3: v1(28.55,35.625) R48.5@29.125,35.625
  Top w0.4: IC6.F7@20.75,30.825 v2(21.15,31.225)
  L4 w0.1: v2(21.15,31.225) 21.575,31.65 21.575,34.05 21.925,34.4 21.925,37.15 22.35,37.575 26.6,37.575 v1(28.55,35.625)
NetIC6_F8: IC6.F8 R50.3 | length 14.1
  Top w0.3: v1(26.275,41.2) R50.3@26.85,41.2
  Top w0.4: IC6.F8@20.75,31.625 v2(21.15,32.025)
  L8 w0.1: v2(21.15,32.025) 21.6,32.475 22.095,32.475 22.3,32.68 22.3,34.046 21.9,34.446 21.9,38.625 24.475,41.2 v1(26.275,41.2)
NetIC6_F9: IC6.F9 R48.3 | length 14.9
  Top w0.3: v1(28.55,36.125) R48.3@29.125,36.125
  Top w0.4: IC6.F9@20.75,32.425 v2(21.15,32.825)
  L4 w0.1: v2(21.15,32.825) 21.15,38.125 21.45,38.425 26.25,38.425 v1(28.55,36.125)
NetIC6_F10: IC6.F10 R48.1 | length 14.9
  Top w0.3: v1(28.55,36.625) R48.1@29.125,36.625
  Top w0.4: v2(20.35,33.625) IC6.F10@20.75,33.225
  L4 w0.1: v2(20.35,33.625) 20.35,38.178 20.797,38.625 26.333,38.625 28.333,36.625 v1(28.55,36.625)
NetIC6_G2: IC6.G2 R55.4 | length 14.6
  Top w0.4: IC6.G2@21.55,26.825 v2(21.95,27.225)
  L8 w0.1: v2(21.95,27.225) 21.5,26.775 21.5,26.004 21.9,25.604 21.9,25.05 22.175,24.775 23.075,24.775 23.525,24.325 23.75,24.325 23.774,24.325 ccw(c23.774,24.605) 24.054,24.605 cw(c24.358,24.605) 24.358,24.909 cw(c24.358,24.605) 24.662,24.605 ccw(c24.942,24.605) 24.942,24.325 24.966,24.325 ccw(c24.966,24.629) 25.27,24.629 25.27,24.675 cw(c25.574,24.675) 25.574,24.979 cw(c25.574,24.675) 25.878,24.675 25.878,24.629 ccw(c26.182,24.629) 26.182,24.325 26.205,24.325 ccw(c26.205,24.606) 26.486,24.606 cw(c26.79,24.606) 26.79,24.91 cw(c26.79,24.606) 27.094,24.606 ccw(c27.375,24.606) 27.375,24.325 27.702,24.325 27.725,24.325 28.15,24.325 v1(29.725,25.9)
  Bottom w0.3: v1(29.725,25.9) R55.4@30.3,25.9
NetIC6_G3: IC6.G3 R55.6 | length 14.5
  Top w0.4: IC6.G3@21.55,27.625 v2(21.95,28.025)
  L8 w0.1: v2(21.95,28.025) 21.6,27.675 21.6,27.18 20.7,26.28 20.7,26.004 21.175,25.529 21.175,24.683 21.35,24.508 23.059,24.508 23.442,24.125 28.45,24.125 v1(29.725,25.4)
  Bottom w0.3: v1(29.725,25.4) R55.6@30.3,25.4
NetIC6_G5: IC6.G5 R62.7 | length 18.2
  Top w0.4: IC6.G5@21.55,29.225 v2(21.95,29.625)
  L3 w0.1: v2(21.95,29.625) 22.225,29.625 22.35,29.5 22.35,26.025 21.975,25.65 21.975,24.425 23.25,23.15 23.25,21.225 23.6,20.875 27.642,20.875 28.525,21.758 28.525,22.975 v1(28.95,23.4)
  Bottom w0.3: v1(28.95,23.4) R62.7@29.525,23.4
NetIC6_G6: IC6.G6 R62.1 | length 18.8
  Top w0.4: IC6.G6@21.55,30.025 v2(21.95,30.425)
  L3 w0.1: v2(21.95,30.425) 21.5,29.975 21.5,26.109 21.2,25.809 21.2,21.825 22.35,20.675 27.725,20.675 v1(28.95,21.9)
  Bottom w0.3: v1(28.95,21.9) R62.1@29.525,21.9
NetIC6_G7: IC6.G7 R61.7 | length 18.9
  Top w0.4: IC6.G7@21.55,30.825 v2(21.95,31.225)
  L9 w0.1: v2(21.95,31.225) 21.5,30.775 21.5,29.475 21.25,29.225 21,29.225 20.8,29.025 20.8,27.08 21.2,26.68 21.2,24.417 27.067,18.55 v1(28.95,18.55)
  Bottom w0.3: v1(28.95,18.55) R61.7@29.525,18.55
NetIC6_G8: IC6.G8 R57.7 | length 14.2
  Top w0.3: v1(28.55,32.625) R57.7@29.125,32.625
  Top w0.4: IC6.G8@21.55,31.625 v2(21.95,32.025)
  L8 w0.1: v2(21.95,32.025) 21.6,31.675 19.725,31.675 19.475,31.425 19.475,31.075 19.775,30.775 24.7,30.775 25.175,31.25 27.092,31.25 28.467,32.625 v1(28.55,32.625)
NetIC6_G9: IC6.G9 R50.1 | length 14.1
  Top w0.3: v1(26.275,41.7) R50.1@26.85,41.7
  Top w0.4: IC6.G9@21.55,32.425 v2(21.95,32.825)
  L8 w0.1: v2(21.95,32.825) 21.95,33.13 21.6,33.48 21.6,34.046 21.2,34.446 21.2,39.5 23.1,41.4 25.975,41.4 v1(26.275,41.7)
NetIC6_G10: IC6.G10 R48.7 | length 15.1
  Top w0.3: v1(28.55,35.125) R48.7@29.125,35.125
  Top w0.4: IC6.G10@21.55,33.225 v2(21.95,33.625)
  L4 w0.1: v2(21.95,33.625) 22.7,34.375 22.7,34.975 22.15,35.525 22.15,37.05 22.475,37.375 23.025,37.375 23.425,37.375 23.825,37.375 cw(c23.825,36.975) 24.225,36.975 24.225,36.175 ccw(c24.625,36.175) 24.625,35.775 ccw(c24.625,36.175) 25.025,36.175 25.025,36.975 cw(c25.425,36.975) 25.425,37.375 25.675,37.375 26.3,37.375 v1(28.55,35.125)